# Allegro board PCIE_FIBER_BOARD-1116.brd (continued)
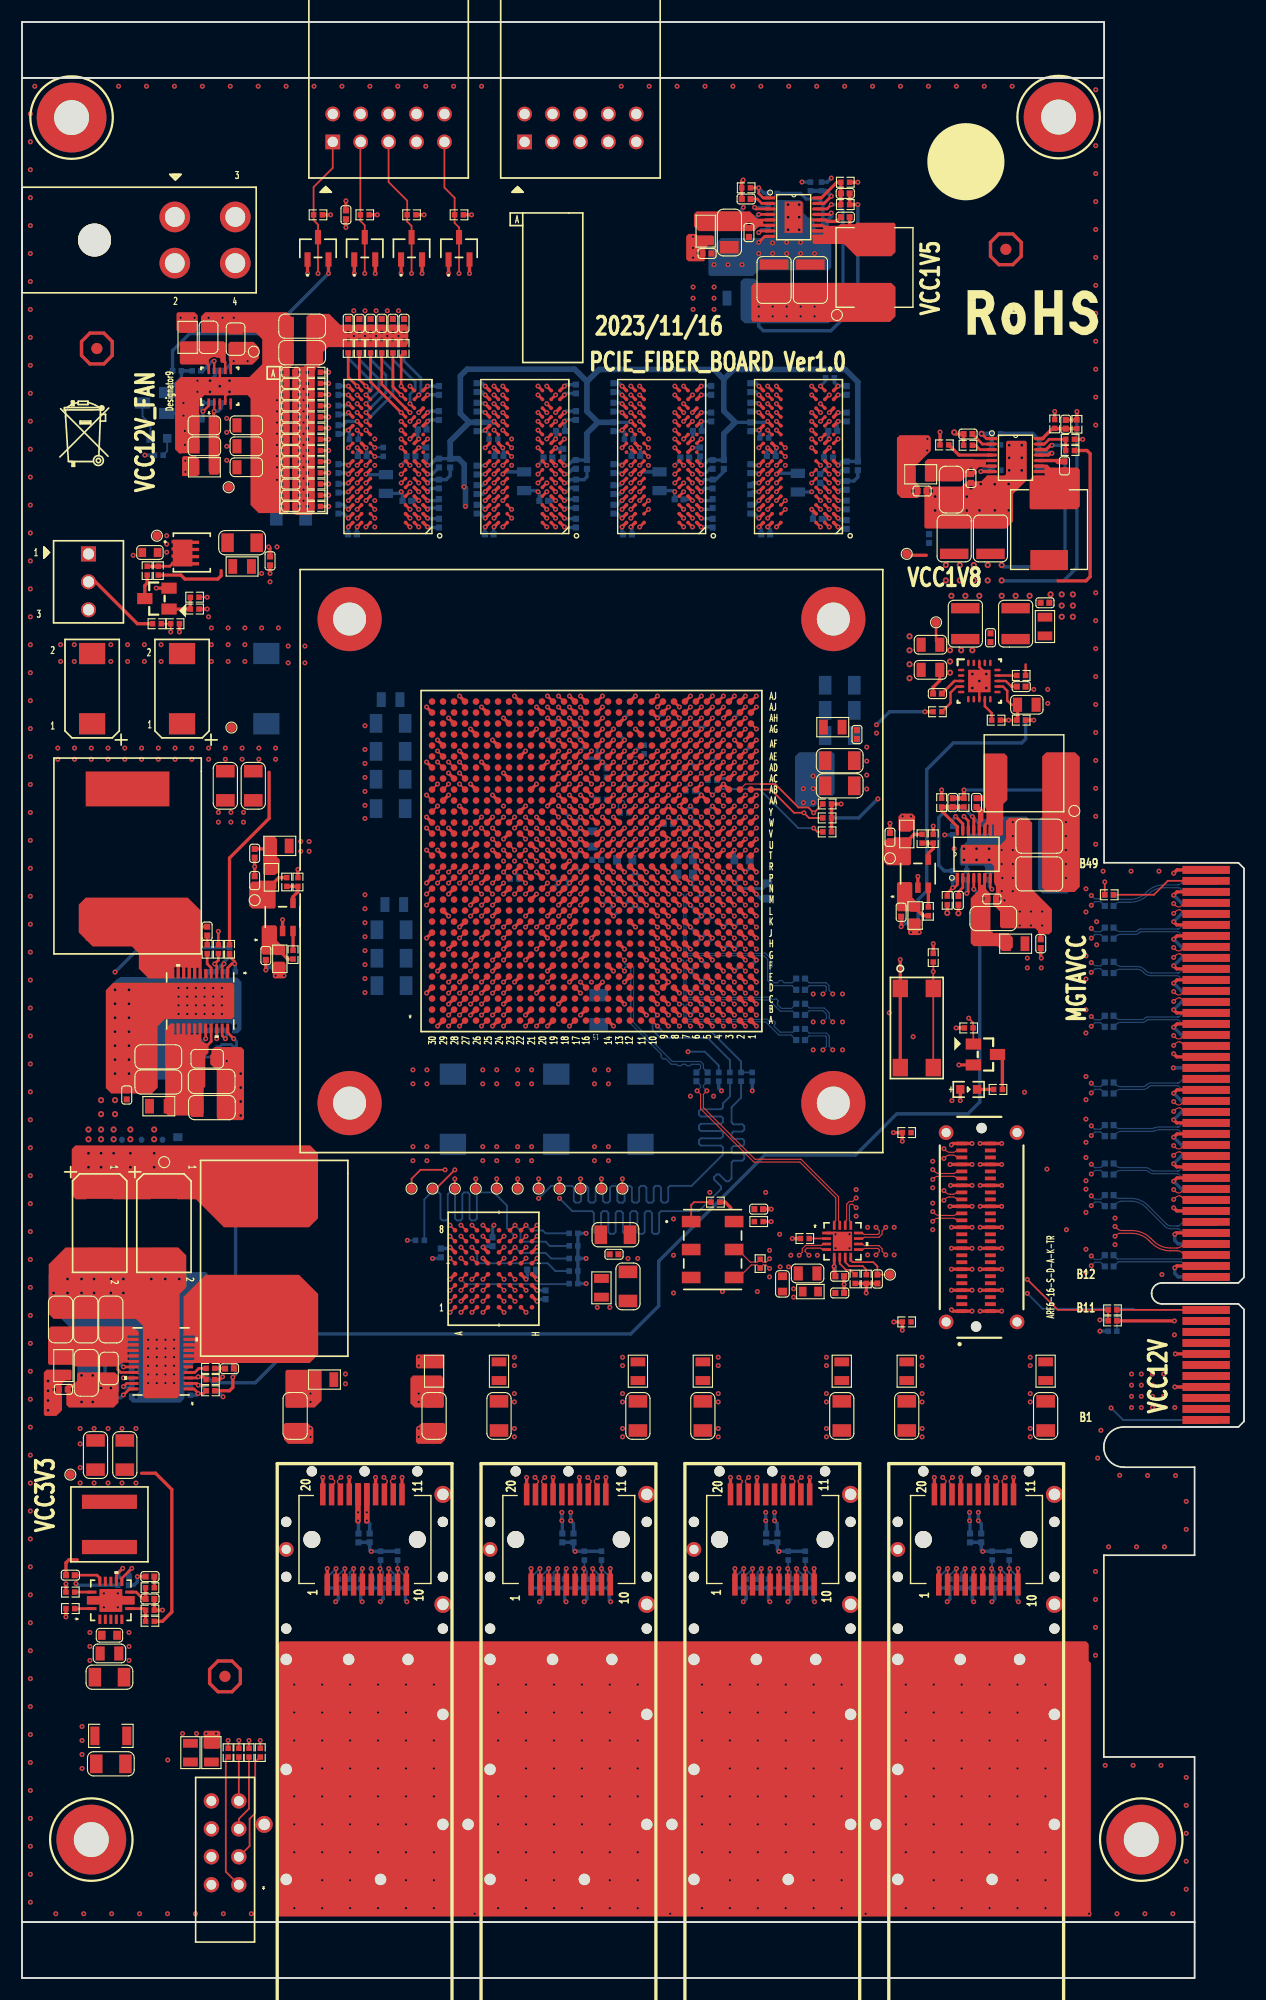
[diagram p0: board, top side]
## Nets (continued)
DDR3_A_D45: U77.A2(DQ13) U247.AG18(IO_L11N_T1_SRCC_32)
DDR3_A_D46: U77.B8(DQ14) U247.AE19(IO_L10N_T1_32)
DDR3_A_D47: U77.A3(DQ15) U247.AG19(IO_L8P_T1_32)
DDR3_A_D48: U78.E3(DQ0) U247.AB17(IO_L18P_T2_32)
DDR3_A_D49: U78.F7(DQ1) U247.AC17(IO_L18N_T2_32)
DDR3_A_D50: U78.F2(DQ2) U247.AB18(IO_L16N_T2_32)
DDR3_A_D51: U78.F8(DQ3) U247.AD17(IO_L14P_T2_SRCC_32)
DDR3_A_D52: U78.H3(DQ4) U247.AA18(IO_L16P_T2_32)
DDR3_A_D53: U78.H8(DQ5) U247.AD18(IO_L13P_T2_MRCC_32)
DDR3_A_D54: U78.G2(DQ6) U247.AB19(IO_L17P_T2_32)
DDR3_A_D55: U78.H7(DQ7) U247.AE18(IO_L13N_T2_MRCC_32)
DDR3_A_D56: U78.D7(DQ8) U247.AD14(IO_L22N_T3_32)
DDR3_A_D57: U78.C3(DQ9) U247.AC14(IO_L22P_T3_32)
DDR3_A_D58: U78.C8(DQ10) U247.AA16(IO_L23N_T3_32)
DDR3_A_D59: U78.C2(DQ11) U247.AA15(IO_L20P_T3_32)
DDR3_A_D60: U78.A7(DQ12) U247.AE15(IO_L19P_T3_32)
DDR3_A_D61: U78.A2(DQ13) U247.Y16(IO_L24P_T3_32)
DDR3_A_D62: U78.B8(DQ14) U247.AA17(IO_L23P_T3_32)
DDR3_A_D63: U78.A3(DQ15) U247.AB15(IO_L20N_T3_32)
DDR3_A_DM0: U75.E7(LDM) U247.AF7(IO_L20P_T3_34)
DDR3_A_DM1: U75.D3(UDM) U247.AK3(IO_L18N_T2_34)
DDR3_A_DM2: U76.E7(LDM) U247.AE1(IO_L8P_T1_34)
DDR3_A_DM3: U76.D3(UDM) U247.AC1(IO_L2N_T0_34)
DDR3_A_DM4: U77.E7(LDM) U247.AF15(IO_L4P_T0_32)
DDR3_A_DM5: U77.D3(UDM) U247.AF18(IO_L11P_T1_SRCC_32)
DDR3_A_DM6: U78.E7(LDM) U247.AC19(IO_L17N_T2_32)
DDR3_A_DM7: U78.D3(UDM) U247.Y15(IO_L24N_T3_32)
DDR3_A_DQS0_N: U75.G3(LDQS#) U247.AJ7(IO_L21N_T3_DQS_34)
DDR3_A_DQS0_P: U75.F3(LDQS) U247.AH7(IO_L21P_T3_DQS_34)
DDR3_A_DQS1_N: U75.B7(UDQS#) U247.AH1(IO_L15N_T2_DQS_34)
DDR3_A_DQS1_P: U75.C7(UDQS) U247.AG2(IO_L15P_T2_DQS_34)
DDR3_A_DQS2_N: U76.G3(LDQS#) U247.AG3(IO_L9N_T1_DQS_34)
DDR3_A_DQS2_P: U76.F3(LDQS) U247.AG4(IO_L9P_T1_DQS_34)
DDR3_A_DQS3_N: U76.B7(UDQS#) U247.AD1(IO_L3N_T0_DQS_34)
DDR3_A_DQS3_P: U76.C7(UDQS) U247.AD2(IO_L3P_T0_DQS_34)
DDR3_A_DQS4_N: U77.G3(LDQS#) U247.AJ16(IO_L3N_T0_DQS_32)
DDR3_A_DQS4_P: U77.F3(LDQS) U247.AH16(IO_L3P_T0_DQS_32)
DDR3_A_DQS5_N: U77.B7(UDQS#) U247.AK18(IO_L9N_T1_DQS_32)
DDR3_A_DQS5_P: U77.C7(UDQS) U247.AJ18(IO_L9P_T1_DQS_32)
DDR3_A_DQS6_N: U78.G3(LDQS#) U247.Y18(IO_L15N_T2_DQS_32)
DDR3_A_DQS6_P: U78.F3(LDQS) U247.Y19(IO_L15P_T2_DQS_32)
DDR3_A_DQS7_N: U78.B7(UDQS#) U247.AC15(IO_L21N_T3_DQS_32)
DDR3_A_DQS7_P: U78.C7(UDQS) U247.AC16(IO_L21P_T3_DQS_32)
DDR3_A_ODT: R484.2 U75.K1(ODT0) U76.K1(ODT0) U77.K1(ODT0) U78.K1(ODT0) U247.AK10(IO_L17N_T2_33)
DDR3_A_RAS_B: R482.2 U75.J3(RAS#) U76.J3(RAS#) U77.J3(RAS#) U78.J3(RAS#) U247.AK9(IO_L15N_T2_DQS_33)
DDR3_A_RESET_B: R8.1 U75.T2(RESET#) U76.T2(RESET#) U77.T2(RESET#) U78.T2(RESET#) U247.AE13(IO_L19P_T3_33)
DDR3_A_S0_B: R479.2 U75.L2(CS#) U76.L2(CS#) U77.L2(CS#) U78.L2(CS#) U247.AH9(IO_L16N_T2_33)
DDR3_A_WE_B: R480.2 U75.L3(WE#) U76.L3(WE#) U77.L3(WE#) U78.L3(WE#) U247.AJ9(IO_L15P_T2_DQS_33)
DDR_POWER_GOOD: Q10.1(GATE) R220.2 R459.2
FAN_FG: R1210.2 R1211.2 U247.D16(IO_L15P_T2_DQS_17)
FPGA_3V3_GPIO0: J2.1 U247.Y30(IO_L8P_T1_13)
FPGA_3V3_GPIO1: J2.3 U247.AA30(IO_L8N_T1_13)
FPGA_3V3_GPIO2: J2.5 U247.AD29(IO_L9P_T1_DQS_13)
FPGA_3V3_GPIO3: J2.7 U247.AE29(IO_L9N_T1_DQS_13)
FPGA_3V3_GPIO4: J2.9 U247.AB29(IO_L10P_T1_13)
FPGA_3V3_GPIO5: J2.10 U247.AB30(IO_L10N_T1_13)
FPGA_3V3_GPIO6: J2.8 U247.AD27(IO_L11P_T1_SRCC_13)
FPGA_3V3_GPIO7: J2.6 U247.AD28(IO_L11N_T1_SRCC_13)
FPGA_3V3_GPIO8: J2.4 U247.AB27(IO_L12P_T1_MRCC_13)
FPGA_3V3_GPIO9: J2.2 U247.AC27(IO_L12N_T1_MRCC_13)
FPGA_CCLK: R1150.1 U247.B10(CCLK_0)
FPGA_DONE_R: Q15.1(GATE) R395.2 U247.M10(DONE_0)
FPGA_INIT_B_R: R4.2 R1151.1 U247.A10(INIT_B_0)
FPGA_M0: R337.2 R342.1 U247.AB5(M0_0)
FPGA_M1: R338.2 R341.1 U247.AB2(M1_0)
FPGA_M2: R339.2 R340.1 U247.AB1(M2_0)
FPGA_PCIE_REFCLK_N: C991.2(CAP1) U247.N7(MGTREFCLK1N_116)
FPGA_PCIE_REFCLK_P: C992.2(CAP1) U247.N8(MGTREFCLK1P_116)
FPGA_PROG_B_R: R42.2 U247.K10(PROGRAM_B_0)
FPGA_REFCLK_100M_N: C2440.2(CAP1) U251.16(OUT3_N)
FPGA_REFCLK_100M_P: C2439.2(CAP1) U251.15(OUT3_P)
FPGA_RESET: R41.1 SW8.3(P3) SW8.4(P4) U247.J27(IO_L8P_T1_AD3P_15)
FPGA_SFP0_IIC_SCL: P1.5(SCL) R1159.2 U247.D26(IO_L11P_T1_SRCC_16)
FPGA_SFP0_IIC_SDA: P1.4(SDA) R1160.2 U247.C26(IO_L11N_T1_SRCC_16)
FPGA_SFP0_LOS: P1.8(LOS) R1166.2 U247.D23(IO_L2N_T0_16)
FPGA_SFP0_MOD_DETECT: P1.6(MOD_ABS) R1163.2 U247.E23(IO_L2P_T0_16)
FPGA_SFP0_TX_DISABLE: P1.3(TX_DISABLE) R1162.2 U247.A23(IO_L1N_T0_16)
FPGA_SFP0_TX_FAULT: P1.2(TX_FAULT) R1161.2 U247.B23(IO_L1P_T0_16)
FPGA_SFP1_IIC_SCL: P2.5(SCL) R1169.2 U247.C25(IO_L12P_T1_MRCC_16)
FPGA_SFP1_IIC_SDA: P2.4(SDA) R1170.2 U247.B25(IO_L12N_T1_MRCC_16)
FPGA_SFP1_LOS: P2.8(LOS) R1176.2 U247.F26(IO_L5P_T0_16)
FPGA_SFP1_MOD_DETECT: P2.6(MOD_ABS) R1173.2 U247.D24(IO_L4N_T0_16)
FPGA_SFP1_TX_DISABLE: P2.3(TX_DISABLE) R1172.2 U247.E24(IO_L4P_T0_16)
FPGA_SFP1_TX_FAULT: P2.2(TX_FAULT) R1171.2 U247.E25(IO_L3N_T0_DQS_16)
FPGA_SFP2_IIC_SCL: P3.5(SCL) R1180.2 U247.D27(IO_L13P_T2_MRCC_16)
FPGA_SFP2_IIC_SDA: P3.4(SDA) R1181.2 U247.C27(IO_L13N_T2_MRCC_16)
FPGA_SFP2_LOS: P3.8(LOS) R1186.2 U247.A27(IO_L7N_T1_16)
FPGA_SFP2_MOD_DETECT: P3.6(MOD_ABS) R1184.2 U247.B27(IO_L7P_T1_16)
FPGA_SFP2_TX_DISABLE: P3.3(TX_DISABLE) R1183.2 U247.G24(IO_L6N_T0_VREF_16)
FPGA_SFP2_TX_FAULT: P3.2(TX_FAULT) R1182.2 U247.G23(IO_L6P_T0_16)
FPGA_SFP3_IIC_SCL: P4.5(SCL) R1189.2 U247.E28(IO_L14P_T2_SRCC_16)
FPGA_SFP3_IIC_SDA: P4.4(SDA) R1190.2 U247.D28(IO_L14N_T2_SRCC_16)
FPGA_SFP3_LOS: P4.8(LOS) R1196.2 U247.A25(IO_L10P_T1_16)
FPGA_SFP3_MOD_DETECT: P4.6(MOD_ABS) R1193.2 U247.A28(IO_L9N_T1_DQS_16)
FPGA_SFP3_TX_DISABLE: P4.3(TX_DISABLE) R1192.2 U247.B28(IO_L9P_T1_DQS_16)
FPGA_SFP3_TX_FAULT: P4.2(TX_FAULT) R1191.2 U247.B24(IO_L8N_T1_16)
FPGA_SFP_REFCLK_N: C2435.2(CAP1) U247.C7(MGTREFCLK0N_118)
FPGA_SFP_REFCLK_P: C2436.2(CAP1) U247.C8(MGTREFCLK0P_118)
FPGA_SFP_RX_0_N: P1.12(RD_N) U247.E3(MGTXRXN0_118)
FPGA_SFP_RX_0_P: P1.13(RD_P) U247.E4(MGTXRXP0_118)
FPGA_SFP_RX_1_N: P2.12(RD_N) U247.D5(MGTXRXN1_118)
FPGA_SFP_RX_1_P: P2.13(RD_P) U247.D6(MGTXRXP1_118)
FPGA_SFP_RX_2_N: P3.12(RD_N) U247.A7(MGTXRXN3_118)
FPGA_SFP_RX_2_P: P3.13(RD_P) U247.A8(MGTXRXP3_118)
FPGA_SFP_RX_3_N: P4.12(RD_N) U247.B5(MGTXRXN2_118)
FPGA_SFP_RX_3_P: P4.13(RD_P) U247.B6(MGTXRXP2_118)
FPGA_SFP_TX_0_N: P1.19(TD_N) U247.D1(MGTXTXN0_118)
FPGA_SFP_TX_0_P: P1.18(TD_P) U247.D2(MGTXTXP0_118)
FPGA_SFP_TX_1_N: P2.19(TD_N) U247.C3(MGTXTXN1_118)
FPGA_SFP_TX_1_P: P2.18(TD_P) U247.C4(MGTXTXP1_118)
FPGA_SFP_TX_2_N: P3.19(TD_N) U247.A3(MGTXTXN3_118)
FPGA_SFP_TX_2_P: P3.18(TD_P) U247.A4(MGTXTXP3_118)
FPGA_SFP_TX_3_N: P4.19(TD_N) U247.B1(MGTXTXN2_118)
FPGA_SFP_TX_3_P: P4.18(TD_P) U247.B2(MGTXTXP2_118)
FPGA_TCK: D5.3 J1.1 R456.2 U247.E10(TCK_0)
FPGA_TDI: D2.3 J1.9 R1233.2 U247.H10(TDI_0)
FPGA_TDO: D4.3 J1.3 R455.2 U247.G10(TDO_0)
FPGA_TMS: D3.3 J1.5 R1234.2 U247.F10(TMS_0)
MGT_CLK_100M_N: C2437.1(CAP2) U251.12(OUT1_N)
MGT_CLK_100M_P: C2438.1(CAP2) U251.11(OUT1_P)
MGTAVCC: C144.1(CAP2) C145.1(CAP2) C2257.1(CAP2) C2258.1(CAP2) C2259.1(CAP2) C2260.1(CAP2) C2261.1(CAP2) C2262.1(CAP2) C2263.1(CAP2) C2264.1(CAP2) C2265.1(CAP2) C2266.1(CAP2) CC13.1 CC14.1 L99.1 R1100.2 TP47.1 U247.B7(MGTAVCC#B7) U247.D7(MGTAVCC#D7) U247.F7(MGTAVCC#F7) U247.H7(MGTAVCC#H7) U247.K7(MGTAVCC#K7) U247.M7(MGTAVCC#M7) U247.P7(MGTAVCC#P7)
MGTAVCC_PG: R1091.2 R1102.1 U118.3(PGOOD)
MGTAVTT: C146.1(CAP2) C147.1(CAP2) C1233.1(CAP2) C1234.1(CAP2) C1235.2(CAP1) C1237.1(CAP2) C2270.1(CAP2) C2271.1(CAP2) C2272.1(CAP2) C2273.1(CAP2) C2274.1(CAP2) C2275.1(CAP2) C2276.1(CAP2) C2277.1(CAP2) C2278.1(CAP2) C2279.1(CAP2) R165.1 TP52.1 U120.1(OUT) U120.2(SNS) U120.19(OUT_1) U120.20(OUT_2) U247.B3(MGTAVTT#B3) U247.C5(MGTAVTT#C5) U247.D3(MGTAVTT#D3) U247.E5(MGTAVTT#E5) U247.F3(MGTAVTT#F3) U247.G5(MGTAVTT#G5) U247.H3(MGTAVTT#H3) U247.J5(MGTAVTT#J5) U247.K3(MGTAVTT#K3) U247.L5(MGTAVTT#L5) U247.M3(MGTAVTT#M3) U247.N5(MGTAVTT#N5) U247.P3(MGTAVTT#P3) U247.R5(MGTAVTT#R5) U247.T3(MGTAVTT#T3) U247.U5(MGTAVTT#U5) U247.V3(MGTAVTT#V3) U247.W5(MGTAVTT#W5) U247.W7(MGTAVTTRCAL_115)
MGTVCCAUX: C148.1(CAP2) C2267.1(CAP2) C2268.1(CAP2) C2269.1(CAP2) L253.2 U247.T7(MGTVCCAUX#T7) U247.V7(MGTVCCAUX#V7)
PCIE_CLK_100M_N: C991.1(CAP2) U251.10(OUT0_N)
PCIE_CLK_100M_P: C992.1(CAP2) U251.9(OUT0_P)
PCIE_PRSNT_N: R1201.2 U249.A1(PRSNT#1)
PCIE_REFCLK_N: C2465.1(CAP2) U247.U7(MGTREFCLK1N_115)
PCIE_REFCLK_P: C2464.1(CAP2) U247.U8(MGTREFCLK1P_115)
PCIE_RST_N: R1215.2 R1236.2 R1237.1 U249.A11(PERST)
PCIE_RXD_0_N: U247.M5(MGTXRXN3_116) U249.B15(PETN0)
PCIE_RXD_0_P: U247.M6(MGTXRXP3_116) U249.B14(PETP0)
PCIE_RXD_1_N: U247.P5(MGTXRXN2_116) U249.B20(PETN1)
PCIE_RXD_1_P: U247.P6(MGTXRXP2_116) U249.B19(PETP1)
PCIE_RXD_2_N: U247.R3(MGTXRXN1_116) U249.B24(PETN2)
PCIE_RXD_2_P: U247.R4(MGTXRXP1_116) U249.B23(PETP2)
PCIE_RXD_3_N: U247.T5(MGTXRXN0_116) U249.B28(PETN3)
PCIE_RXD_3_P: U247.T6(MGTXRXP0_116) U249.B27(PETP3)
PCIE_RXD_4_N: U247.V5(MGTXRXN3_115) U249.B34(PETN4)
PCIE_RXD_4_P: U247.V6(MGTXRXP3_115) U249.B33(PETP4)
PCIE_RXD_5_N: U247.W3(MGTXRXN2_115) U249.B38(PETN5)
PCIE_RXD_5_P: U247.W4(MGTXRXP2_115) U249.B37(PETP5)
PCIE_RXD_6_N: U247.Y5(MGTXRXN1_115) U249.B42(PETN6)
PCIE_RXD_6_P: U247.Y6(MGTXRXP1_115) U249.B41(PETP6)
PCIE_RXD_7_N: U247.AA3(MGTXRXN0_115) U249.B46(PETN7)
PCIE_RXD_7_P: U247.AA4(MGTXRXP0_115) U249.B45(PETP7)
PCIE_TXD_0_N: C2467.1(CAP2) U247.L3(MGTXTXN3_116)
PCIE_TXD_0_P: C2466.1(CAP2) U247.L4(MGTXTXP3_116)
PCIE_TXD_1_N: C2469.1(CAP2) U247.M1(MGTXTXN2_116)
PCIE_TXD_1_P: C2468.1(CAP2) U247.M2(MGTXTXP2_116)
PCIE_TXD_2_N: C2471.1(CAP2) U247.N3(MGTXTXN1_116)
PCIE_TXD_2_P: C2470.1(CAP2) U247.N4(MGTXTXP1_116)
PCIE_TXD_3_N: C2473.1(CAP2) U247.P1(MGTXTXN0_116)
PCIE_TXD_3_P: C2472.1(CAP2) U247.P2(MGTXTXP0_116)
PCIE_TXD_4_N: C2475.1(CAP2) U247.T1(MGTXTXN3_115)
PCIE_TXD_4_P: C2474.1(CAP2) U247.T2(MGTXTXP3_115)
PCIE_TXD_5_N: C2477.1(CAP2) U247.U3(MGTXTXN2_115)
PCIE_TXD_5_P: C2476.1(CAP2) U247.U4(MGTXTXP2_115)
PCIE_TXD_6_N: C2479.1(CAP2) U247.V1(MGTXTXN1_115)
PCIE_TXD_6_P: C2478.1(CAP2) U247.V2(MGTXTXP1_115)
PCIE_TXD_7_N: C2481.1(CAP2) U247.Y1(MGTXTXN0_115)
PCIE_TXD_7_P: C2480.1(CAP2) U247.Y2(MGTXTXP0_115)
PCIE_VCC3V3: R1199.1 U249.A9(+3.3V_1) U249.A10(+3.3V_2) U249.B8(+3.3V_3)
PCIE_WAKE_N: R1199.2 R1200.1 U247.K18(IO_L1P_T0_17)
PCIE_WIDTH_X8: R1201.1 U249.B48(PRSNT#2_3)
SFP0_LED: R1219.2 U247.L17(IO_L5P_T0_17)
SFP1_LED: R1218.2 U247.L18(IO_L5N_T0_17)
SFP2_LED: R1217.2 U247.K19(IO_L6P_T0_17)
SFP3_LED: R1216.2 U247.K20(IO_L6N_T0_VREF_17)
SFP_CLK_100M_N: C2435.1(CAP2) U251.14(OUT2_N)
SFP_CLK_100M_P: C2436.1(CAP2) U251.13(OUT2_P)
TEST_REFCLK_N: C2437.2(CAP1) U247.G7(MGTREFCLK0N_117)
TEST_REFCLK_P: C2438.2(CAP1) U247.G8(MGTREFCLK0P_117)
TEST_TX_0_N: J3.29 U247.F1(MGTXTXN3_117)
TEST_TX_0_P: J3.27 U247.F2(MGTXTXP3_117)
TEST_TX_1_N: J3.35 U247.H1(MGTXTXN2_117)
TEST_TX_1_P: J3.33 U247.H2(MGTXTXP2_117)
TEST_TX_2_N: J3.41 U247.J3(MGTXTXN1_117)
TEST_TX_2_P: J3.39 U247.J4(MGTXTXP1_117)
TEST_TX_3_N: J3.47 U247.K1(MGTXTXN0_117)
TEST_TX_3_P: J3.45 U247.K2(MGTXTXP0_117)
VCXO_100M_N: R1205.1 U250.5(OUT-) U251.4(IN1_N)
VCXO_100M_P: R1205.2 U250.4(OUT+) U251.3(IN1_P)
VREG: C1158.1(CAP2) R1041.1 R1050.1 U113.18(VREG)
VRN_32: R160.2 U247.Y14(IO_0_VRN_32)
VRN_33: R162.2 U247.Y13(IO_0_VRN_33)
VRN_34: R163.2 U247.AC6(IO_0_VRN_34)
VRP_32: R159.1 U247.AB14(IO_25_VRP_32)
VRP_33: R161.1 U247.AD13(IO_25_VRP_33)
VRP_34: R164.1 U247.AB7(IO_25_VRP_34)
VTTDDR: C13.1(CAP2) C14.1(CAP2) C15.1(CAP2) C342.1(CAP2) C343.1(CAP2) C344.1(CAP2) C521.1(CAP2) C522.1(CAP2) C523.1(CAP2) C524.1(CAP2) C525.1(CAP2) C526.1(CAP2) C527.1(CAP2) C546.1(CAP2) C547.1(CAP2) C548.1(CAP2) C549.1(CAP2) C550.1(CAP2) C551.1(CAP2) C552.1(CAP2) C553.1(CAP2) C554.1(CAP2) C555.1(CAP2) C596.1(CAP2) C597.1(CAP2) C598.1(CAP2) C599.1(CAP2) C600.1(CAP2) C601.1(CAP2) C602.1(CAP2) C603.1(CAP2) C604.1(CAP2) C605.1(CAP2) C624.1(CAP2) C625.1(CAP2) C626.1(CAP2) C627.1(CAP2) C628.1(CAP2) C629.1(CAP2) C630.1(CAP2) C631.1(CAP2) C632.1(CAP2) C633.1(CAP2) R460.1 R461.1 R462.1 R463.1 R464.1 R465.1 R466.1 R467.1 R468.1 R469.1 R470.1 R471.1 R472.1 R473.1 R474.1 R475.1 R476.1 R477.1 R478.1 R479.1 R480.1 R481.1 R482.1 R483.1 R484.1 TP48.1 U23.3(VO) U23.5(VOSNS)
VTTVREF: C97.1(CAP2) C187.2(CAP1) C461.1(CAP2) C462.1(CAP2) C463.1(CAP2) C490.1(CAP2) C491.1(CAP2) C492.1(CAP2) C506.1(CAP2) C507.1(CAP2) C520.1(CAP2) C544.2(CAP1) C545.1(CAP2) C563.1(CAP2) C573.1(CAP2) C574.2(CAP1) C575.1(CAP2) C576.2(CAP1) C577.1(CAP2) C585.1(CAP2) C595.1(CAP2) C613.1(CAP2) C623.1(CAP2) C640.1(CAP2) TP49.1 U23.6(REFOUT) U75.H1(VREFDQ) U75.M8(VREFCA) U76.H1(VREFDQ) U76.M8(VREFCA) U77.H1(VREFDQ) U77.M8(VREFCA) U78.H1(VREFDQ) U78.M8(VREFCA) U247.AB13(IO_L6N_T0_VREF_33) U247.AD7(IO_L6N_T0_VREF_34) U247.AE14(IO_L19N_T3_VREF_32) U247.AF13(IO_L19N_T3_VREF_33) U247.AF16(IO_L6N_T0_VREF_32) U247.AG8(IO_L19N_T3_VREF_34)
XADC_AGND: C2.2(CAP1) L3.2 U247.P14(GNDADC_0) U247.R14(VREFN_0) U247.T15(VREFP_0)
XADC_VCC: C2.1(CAP2) L5.1 U247.P15(VCCADC_0)
$7N830: Q15.3(DRAIN) R396.1
$7N832: DS10.2 R396.2
$36N205: R165.2 U247.W8(MGTRREF_115)
$45N24: C271.1(CAP2) R219.1 R221.2 U23.1(REFIN)
$45N300: DS18.2 Q10.3(DRAIN)
$45N301: DS18.1 R87.2
N319534: R458.1 U75.L8(ZQ)
N335210: R490.1 U76.L8(ZQ)
N421789: R492.1 U77.L8(ZQ)
N421983: R494.1 U78.L8(ZQ)
N16671344: C1153.1(CAP2) C1154.1(CAP2) C1155.1(CAP2) C1156.1(CAP2) C1157.1(CAP2) L89.2 U113.12(VIN) U113.13(VIN_1) U113.14(VIN_2) U113.15(VIN_3) U113.16(VIN_4) U113.17(VIN_5) U113.19(VDD)
N16672317: R1044.2 U113.20(MODE)
N16672324: R1043.2 U113.21(TRIP)
N16672331: R1042.2 R1050.2 U113.22(RF)
N16672704: C1159.1(CAP2) L85.2 U113.6(LL) U113.7(LL_1) U113.8(LL_2) U113.9(LL_3) U113.10(LL_4) U113.11(LL_5)
N16673248: R1046.2 R1047.1 U113.1(VFB)
N16673267: R1049.1 U113.4(VBST)
N16673329: C1159.2(CAP1) R1049.2
N16673629: R1045.2 R1048.1 U113.2(EN)
N16716267: C1188.2(CAP1) C1197.1(CAP2) L93.2 U116.5(VIN1) U116.6(VIN2)
N16716359: R1067.2 U116.4(EN/UV)
N16716559: C1189.1(CAP2) R1071.2 U116.13(INTVCC)
N16716571: C1190.1(CAP2) U116.2(TR/SS)
N16716663: R1070.2 R1071.1 U116.1(SYNC)
N16716703: C1191.1(CAP2) L94.1 U116.9(SW1) U116.10(SW2) U116.11(SW3)
N16716707: C1191.2(CAP1) U116.12(BST)
N16716803: C1192.1(CAP2) R1072.1 R1073.1 U116.16(FB)
N16717075: R1068.1 U116.3(RT)
N16718397: R1074.2 R1075.2 U116.15(PG)
N16720636: C340.1(CAP2) C341.1(CAP2) L95.2 R221.1 U23.2(VLDOIN)
N16720676: C224.1(CAP2) L96.1 U23.7(EN) U23.10(VIN)
N16721374: R459.1 U23.9(PGOOD)
N16728285: C1212.1(CAP2) C1213.1(CAP2) C1214.1(CAP2) C1215.1(CAP2) C1216.1(CAP2) L100.2 U118.12(VIN) U118.13(VIN_1) U118.14(VIN_2) U118.15(VIN_3) U118.16(VIN_4) U118.17(VIN_5) U118.19(VDD)
N16728329: C1217.1(CAP2) R1091.1 R1099.1 U118.18(VREG)
N16728485: R1094.2 U118.20(MODE)
N16728493: R1092.2 R1099.2 U118.22(RF)
N16728501: R1093.2 U118.21(TRIP)
N16728563: C1208.1(CAP2) L99.2 U118.6(LL) U118.7(LL_1) U118.8(LL_2) U118.9(LL_3) U118.10(LL_4) U118.11(LL_5)
N16728607: R1095.2 R1100.1 U118.1(VFB)
N16728623: R1098.1 U118.4(VBST)
N16728663: C1208.2(CAP1) R1098.2
N16728745: R1101.1 U118.2(EN)
N16761893: R1155.2 U248.C6(WP_B)
N16761913: R1157.2 U248.F7(WAIT)
N16762295: C2441.1(CAP2) C2442.1(CAP2) C2443.1(CAP2) C2444.1(CAP2) C2445.1(CAP2) L234.1 U248.A4(VPP) U248.A6(VCC1) U248.D5(VCCQ1) U248.D6(VCCQ2) U248.G4(VCCQ3) U248.H3(VCC2)
N16769397: C1219.2(CAP1) C1228.1(CAP2) L101.2 U119.5(VIN1) U119.6(VIN2)
N16769403: P1.9(RS1) R1165.2 R1168.1
N16769415: P1.7(RS0) R1164.2 R1167.1
N16769443: C2450.1(CAP2) C2451.1(CAP2) L236.2 P1.16(VCCT)
N16769469: C2448.1(CAP2) C2449.1(CAP2) L235.2 P1.15(VCCR)
N16769691: C1220.1(CAP2) R1106.2 U119.13(INTVCC)
N16769695: C1221.1(CAP2) U119.2(TR/SS)
N16769791: R1105.2 R1106.1 U119.1(SYNC)
N16769823: C1222.1(CAP2) L102.1 U119.9(SW1) U119.10(SW2) U119.11(SW3)
N16769839: C1222.2(CAP1) U119.12(BST)
N16769935: C1223.1(CAP2) R1107.1 R1108.1 U119.16(FB)
N16769970: P2.9(RS1) R1175.2 R1178.1
N16769976: P2.7(RS0) R1174.2 R1177.1
N16769990: C2454.1(CAP2) C2455.1(CAP2) L238.2 P2.16(VCCT)
N16770002: C2452.1(CAP2) C2453.1(CAP2) L237.2 P2.15(VCCR)
N16770219: R1103.1 U119.3(RT)
N16770359: R1109.2 U119.15(PG)
N16771188: P4.9(RS1) R1195.2 R1198.1
N16771194: P4.7(RS0) R1194.2 R1197.1
N16771208: C2462.1(CAP2) C2463.1(CAP2) L242.2 P4.16(VCCT)
N16771220: C2460.1(CAP2) C2461.1(CAP2) L241.2 P4.15(VCCR)
N16771394: C1229.2(CAP1) U120.13(NR_SS)
N16771812: C1231.2(CAP1) C1232.1(CAP2) L103.2 R1114.2 U120.15(IN) U120.16(IN_1) U120.17(IN_2)
N16772406: P3.9(RS1) R1185.2 R1188.1
N16772412: P3.7(RS0) R1179.2 R1187.1
N16772426: C2458.1(CAP2) C2459.1(CAP2) L240.2 P3.16(VCCT)
N16772438: C2456.1(CAP2) C2457.1(CAP2) L239.2 P3.15(VCCR)
N16773503: R1111.2 U120.9(400 MV)
N16774020: C1235.1(CAP2) U120.3(FB)
N16774481: R1112.2 U120.4(PG)
N16776070: R1114.1 U120.14(EN)
N16776537: C1238.1(CAP2) R1115.2 U120.12(BIAS)
N16785044: C2466.2(CAP1) U249.A16(PERP0)
N16785066: C2467.2(CAP1) U249.A17(PERN0)
N16785114: C2468.2(CAP1) U249.A21(PERP1)
N16785116: C2469.2(CAP1) U249.A22(PERN1)
N16785180: C2470.2(CAP1) U249.A25(PERP2)
N16785182: C2471.2(CAP1) U249.A26(PERN2)
N16785246: C2472.2(CAP1) U249.A29(PERP3)
N16785248: C2473.2(CAP1) U249.A30(PERN3)
N16785312: C2474.2(CAP1) U249.A35(PERP4)
N16785314: C2475.2(CAP1) U249.A36(PERN4)
N16785378: C2476.2(CAP1) U249.A39(PERP5)
N16785380: C2477.2(CAP1) U249.A40(PERN5)
N16785510: C2478.2(CAP1) U249.A43(PERP6)
N16785512: C2479.2(CAP1) U249.A44(PERN6)
N16785576: C2480.2(CAP1) U249.A47(PERP7)
N16785578: C2481.2(CAP1) U249.A48(PERN7)
N16787009: C2464.2(CAP1) U249.A13(REFCLK+)
N16787011: C2465.2(CAP1) U249.A14(REFCLK-)
N16788876: J3.S1(SHIELD) J3.S3(SHIELD__2) R1202.2
N16788886: J3.S2(SHIELD__1) J3.S4(SHIELD__3) R1203.2
N16791944: C2488.2(CAP1) TP54.1 U251.8(VAC_REF0)
N16791990: C2482.2(CAP1) L243.1 R1204.2 U250.6(VDD)
N16792037: R1204.1 U250.1(VC/OE/S\T\)
N16792232: R1206.2 U251.2(IN_SEL)
N16792748: R1207.1 U251.6(IN0_P)
N16792755: R1208.1 U251.7(IN0_N)
N16797706: R1102.2 U119.4(EN/UV)
N16799597: Q17.1(GATE) R1212.1 R1213.1
N16799599: Q16.4(G) R1209.2 R1226.1
N16799687: C2490.1(CAP2) L245.2 Q16.5(S1) R1209.1
N16802634: R1200.2 U249.B11(WAKE#)
N16803090: R1215.1 U247.H20(IO_L2P_T0_17)
N16804893: D1.5 D1.6 D1.7 D1.8 L246.1 L247.1
N16820993: TP64.1 U247.A17(IO_L20N_T3_17)
N16820996: TP65.1 U247.A20(IO_L21P_T3_DQS_17)
N16820999: TP66.1 U247.A21(IO_L21N_T3_DQS_17)
N16821008: TP63.1 U247.E19(IO_L14P_T2_SRCC_17)
N16821066: TP62.1 U247.D17(IO_L13P_T2_MRCC_17)
N16821349: TP58.1 U247.K23(IO_L3P_T0_DQS_AD1P_15)
N16821352: TP56.1 U247.K24(IO_L3N_T0_DQS_AD1N_15)
N16821355: TP57.1 U247.L21(IO_L4P_T0_AD9P_15)
N16821358: TP59.1 U247.K21(IO_L4N_T0_AD9N_15)
N16821361: TP60.1 U247.L26(IO_L11P_T1_SRCC_AD12P_15)
N16821364: TP61.1 U247.L25(IO_L12P_T1_MRCC_AD5P_15)
N16821463: R1214.1 U247.R23(IO_L3P_T0_DQS_PUDC_B_14)
N16830782: Q17.3(DRAIN) R1226.2
N16831238: R1231.2 R1232.1 U254.4(ADJ)
N16831254: C2507.1(CAP2) L253.1 R1231.1 TP69.1 U254.5(VOUT)
N16831338: C2506.1(CAP2) L252.2 R1230.1 U254.1(VDD)
N16831858: R1230.2 U254.3(CE)
N16834590: J5.2(P2) R1211.1
N16835504: R1228.2 R1229.1 U253.4(ADJ)
N16835514: C2504.1(CAP2) L251.1 R1228.1 TP68.1 U253.5(VOUT)
N16835584: C2503.1(CAP2) L250.2 R1227.1 U253.1(VDD)
N16836033: R1227.2 U253.3(CE)
N16836574: D1.1 R1219.1
N16836583: D1.3 R1217.1
N16836592: D1.2 R1218.1
N16836621: D1.4 R1216.1
N16841265: R1221.2 R1223.1 U252.7(VSENSE)
N16841295: C2493.1(CAP2) U252.13(BOOT)
N16841309: C2493.2(CAP1) L249.1 U252.11(PH1) U252.12(PH2)
N16841343: R1220.2 U252.10(EN)
N16841418: C2499.1(CAP2) U252.9(SS_TR)
N16841448: R1224.1 U252.1(RTCLK)
N16841487: C2501.1(CAP2) R1225.2 U252.8(COMP)
N16841491: C2500.2(CAP1) R1225.1
N16841601: R1222.2 U252.14(PG)
N16881753: C2508.2 MH1.1 R1235.2
N16940256: C2439.1(CAP2) U247.G13(IO_L12P_T1_MRCC_18)
N16940258: C2440.1(CAP2) U247.F13(IO_L12N_T1_MRCC_18)
N17765267: R1069.2 U116.7(NC)
N17766516: R1104.2 U119.7(NC)
N22202204: C1177.2(CAP1) C1178.1(CAP2) L90.2 U115.5(VIN1) U115.6(VIN2)
N22202247: R1059.2 U115.4(EN/UV)
N22202333: C1175.1(CAP2) R1061.2 U115.13(INTVCC)
N22202347: C1176.1(CAP2) U115.2(TR/SS)
N22202393: R1061.1 R1064.2 U115.1(SYNC)
N22202413: C1179.1(CAP2) L86.1 U115.9(SW1) U115.10(SW2) U115.11(SW3)
N22202417: C1179.2(CAP1) U115.12(BST)
N22202453: R1066.2 U115.7(NC)
N22202455: C1180.1(CAP2) R1057.1 R1089.1 U115.16(FB)
N22202599: R1065.1 U115.3(RT)
N22202663: R1058.2 R1060.2 U115.15(PG)

Pads without a net: J1 6 7 8; J3 03 04 05 06 09 10 11 12 15 16 17 18 21 22 23 24 28 30 34 36 40 42 46 48; MH2 1; MH3 1; MH4 1; NOREF#4 1; NOREF#10 1; NOREF#12 1; NOREF#13 1; NOREF#14 1; NOREF#15 1; U75 J1 J9 L1 L9; U76 J1 J9 L1 L9; U77 J1 J9 L1 L9; U78 J1 J9 L1 L9; U113 5; U118 5; U120 5 6 7 10 11; U247 A11 A12 A13 A15 A16 A18 A22 A26 A30 AA20 AA21 AA22 AA23 AA25 AA26 AA27 AA28 AB20 AB22 AB23 AB24 AB25 AB28 AC20 AC21 AC22 AC24 AC25 AC26 AC29 AC30 AD16 AD21 AD22 AD23 AD24 AD26 AE11 AE20 AE21 AE23 AE24 AE25 AE26 AE28 AE30 AF3 AF10 AF11 AF12 AF20 AF21 AF22 AF23 AF25 AF26 AF27 AF28 AF30 AG10 AG12 AG13 AG17 AG20 AG22 AG23 AG24 AG25 AG27 AG28 AG29 AG30 AH4 AH10 AH11 AH12 AH14 AH20 AH21 AH22 AH24 AH25 AH26 AH27 AH29 AH30 AJ11 AJ12 AJ13 AJ14 AJ21 AJ22 AJ23 AJ24 AJ26 AJ27 AJ28 AJ29 AK11 AK13 AK14 AK20 AK21 AK23 AK24 AK25 AK26 AK28 AK29 AK30 B12 B13 B14 B15 B17 B18 B19 B20 B22 B29 B30 C11 C12 C14 C15 C16 C17 C19 C20 C21 C22 C24 C29 C30 D11 D12 D13 D14 D18 D19 D21 D22 D29 E7 E8 E11 E13 E14 E15 E16 E18 E20 E21 E26 E29 E30 F5 F6 F11 F12 F15 F16 F17 F18 F20 F21 F22 F23 F25 F27 F28 F30 G3 G4 G12 G14 G15 G17 G18 G19 G20 G22 G25 G27 G28 G29 G30 H5 H6 H11 H12 H14 H15 H16 H17 H19 H21 H22 H24 H25 H26 H27 H29 H30 J7 J8 J11 J12 J13 J14 J16 J17 J18 J19 J21 J22 J24 J26 J28 J29 K5 K6 K11 K13 K14 K15 K16 K25 K26 K28 K29 K30 L7 L8 L11 L12 L13 L15 L16 L20 L22 L23 L27 L28 L30 M19 M20 M22 M23 M27 M28 M29 N27 N29 P19 P23 R7 R8 R19 R24 R30 T25 T26 T27 T28 U22 U25 U27 U28 U29 U30 V26 W19 W27 W28 W29 Y20 Y21 Y23 Y24 Y25 Y26 Y28 Y29; U248 E8 F1 G2 H1; U249 A5 A6 A7 A8 A19 A32 A33 B5 B6 B9 B10 B12 B17 B30 B31; U250 2; U255 1 2 3 4

## Via types
v1: diameter 0.457, hole 0.203, TOP to BOTTOM, 2261 vias
v2: diameter 0.559, hole 0.254, TOP to BOTTOM, 140 vias

## Routing (per net, layer and track width the routed paths; a pad name or vN(x,y) marks a point on that pad's centre or on a via; arc(x,y) is an arc through that point)
GND: length 628.2
  TOP w0.229: U120.8 v2(87.08,117.89) ; v2(18.88,144.18) 18.49,143.79 U23.4 ; U23.8 v2(17.99,144.69) ; v2(87.71,118.53) 87.08,119.16 U120.18
  TOP w0.254: v1(67.01,157.77) 67.55,158.31 U116.8 ; v1(73.99,67.6) 73.88,67.72 U251.1
  TOP w0.305: v1(84.46,72.05) J3.37 v1(86.41,72.05) ; U247.U17 v1(49.8,103.53) ; U247.M8 v1(59.8,97.53) ; v1(89.11,62.52) J3.08 v1(87.15,62.52) ; U75.T9 v1(54.58,144.7) ; U247.M4 v1(63.8,97.53) ; C2485.1 v1(74.78,63.05) C2487.1 ; v1(34.57,45.5) 34.56,45.5 P2.11 ; v1(86.41,66.33) J3.19 v1(84.54,66.33) ; U249.B47 105.06,98.73 v1(104.75,98.42) ; U247.AK17 v1(49.8,116.53) ; U247.V18 v1(48.8,104.53) ; U247.AG16 v1(50.8,113.53) ; U247.W1 v1(66.8,105.53) ; U249.B36 105.03,87.73 v1(104.75,88.01) ; R1108.2 v1(83.65,107.99) ; U247.L24 v1(42.8,96.53) ; U77.B9 v1(29.69,132.7) ; U75.P9 v1(54.58,143.1) ; U75.B1 v1(61.78,132.7) ; U75.G8 v1(55.38,136.7) ; v1(104.75,80.42) 105.06,80.73 U249.B29 ; U249.B32 105.03,83.73 v1(104.75,84.01) ; v1(39.8,106.53) 39.8,106.53 U247.Y27 ; U78.J8 v1(42.94,139.1) ; U247.W6 v1(61.8,104.53) ; v1(74.5,106.72) R338.1 R339.1 R337.1 ; U75.A9 v1(54.58,131.9) ; U247.R13 v1(54.8,100.53) ; v1(65.59,163.44) 65.47,163.31 R1070.1 C1190.2 ; U247.AC28 v1(38.8,109.53) ; U247.A2 v1(65.8,86.53) ; C2507.2 v1(78.95,104.96) ; U247.AK7 v1(60.8,116.53) ; U247.Y8 v1(58.8,106.53) U247.Y9 ; U76.E2 v1(73.43,135.1) ; v1(84.54,62.52) J3.07 v1(86.41,62.52) ; U247.C1 v1(66.8,88.53) ; U247.W20 v1(46.8,105.53) ; U247.V8 v1(59.8,104.53) ; U247.AC8 v1(59.8,109.53) ; U249.B25 105.06,76.73 v1(104.75,76.42) ; U247.P16 v1(50.8,99.53) ; v1(82.98,45.5) 82.99,45.5 P1.20 ; U247.L10 v1(57.8,96.53) ; U249.B16 104.98,67.73 v1(104.86,67.6) ; U78.E2 v1(48.54,135.1) ; v1(89.11,64.43) J3.14 v1(87.15,64.43) ; U247.T16 v1(50.8,102.53) ; U77.M9 v1(29.69,140.7) ; U78.E1 v1(49.34,135.1) ; D5.1 v1(25.97,154.94) ; U247.L1 v1(66.8,96.53) ; U247.M9 v1(58.8,97.53) ; U247.R22 v1(44.8,100.53) ; U247.R11 v1(56.8,100.53) ; U78.D1 v1(49.34,134.3) ; U249.B40 105.03,91.73 v1(104.75,92.01) ; U247.H13 v1(54.8,93.53) ; U78.J2 v1(48.54,139.1) ; U247.AD15 v1(52.8,110.53) ; U75.D1 v1(61.78,134.3) ; U247.R2 v1(65.8,100.53) ; U77.A9 v1(29.69,131.9) ; v1(86.41,75.86) J3.49 84.66,75.86 v1(84.54,75.73) ; U76.E8 v1(67.83,135.1) ; U247.AA5 v1(61.8,107.53) U247.AA6 ; U247.C9 v1(58.8,88.53) ; U247.V10 v1(57.8,104.53) U247.W9 ; U247.V14 v1(53.8,104.53) ; v1(104.75,90.42) 105.06,90.73 U249.B39 ; U78.P1 v1(48.54,142.3) ; U247.P18 v1(48.8,99.53) ; v1(86.41,60.62) J3.01 84.66,60.62 v1(84.54,60.74) ; U247.R6 v1(61.8,100.53) ; Q15.2 v1(85.22,83) ; U76.A9 v1(67.03,131.9) ; v1(87.15,73.95) J3.44 v1(89.11,73.95) ; U247.D25 v1(41.8,89.53) ; U247.Y7 v1(59.8,106.53) U247.AA7 ; U247.V4 v1(63.8,104.53) ; U76.G1 v1(74.23,136.7) ; U78.B1 v1(49.34,132.7) ; U77.P9 v1(29.69,143.1) ; v1(48.31,45.5) 48.3,45.5 P3.17 ; D3.1 v1(34.48,154.94) ; U77.E8 v1(30.49,135.1) ; U78.T9 v1(42.13,144.7) ; U247.AF19 v1(47.8,112.53) ; U247.K8 v1(59.8,95.53) ; U247.T4 v1(63.8,102.53) ; U247.T19 v1(47.8,102.53) ; U247.R15 v1(52.8,100.53) ; v1(29.77,45.5) 29.76,45.5 P2.17 ; v1(104.75,100.42) 105.06,100.73 U249.A49 ; U247.N6 v1(61.8,98.53) ; U249.A4 v1(104.86,53.73) ; v1(85.39,45.5) 85.39,45.5 P1.17 ; U247.E12 v1(54.8,90.53) ; v2(84.79,140.5) 84.95,140.34 C1176.2 R1065.2 ; v1(84.54,64.43) J3.13 v1(86.41,64.43) ; v1(104.75,94.42) 105.06,94.73 U249.B43 ; C2492.2 v1(21.16,101.02) C2504.2 ; U78.B9 v1(42.13,132.7) ; U247.D15 v1(52.8,90.53) ; U248.H6 v1(46.85,66.43) ; P1.14 87.79,45.5 v1(87.78,45.5) ; U77.B1 v1(36.89,132.7) ; U247.A14 v1(53.8,86.53) ; U75.E2 v1(60.98,135.1) ; U247.D8 v1(59.8,89.53) ; U247.U2 v1(65.8,103.53) ; P3.11 53.1,45.5 v1(53.11,45.5) ; U75.M1 v1(61.78,141.5) ; U247.Y4 v1(62.8,106.53) ; v1(86.41,68.24) J3.25 v1(84.54,68.24) ; U247.U14 v1(53.8,103.53) ; U247.R1 v1(66.8,100.53) ; U247.J10 v1(57.8,94.53) ; U247.AG6 v1(61.8,113.53) ; U247.F9 v1(58.8,91.53) ; R41.2 v1(82.88,94.02) ; R1207.2 R1208.2 ; R1208.2 C2488.1 ; R1208.2 v1(76.79,62.27) ; U77.E2 v1(36.09,135.1) ; v1(89.11,72.05) J3.38 v1(87.15,72.05) ; U249.B26 105.03,77.73 v1(104.75,78.01) ; v1(79.3,59.64) R1202.1 v1(80.07,58.89) ; U77.B3 v1(35.29,132.7) ; U77.G1 v1(36.89,136.7) ; U247.AB11 v1(56.8,108.53) ; U247.J2 v1(65.8,94.53) ; U247.V12 v1(55.8,104.53) ; U247.A6 v1(61.8,86.53) ; U247.B4 v1(63.8,87.53) ; U247.AA1 v1(66.8,107.53) ; U247.R9 v1(58.8,100.53) ; U247.U6 v1(61.8,102.53) ; U247.G6 v1(61.8,92.53) ; v1(104.75,96.01) 105.03,95.73 U249.B44 ; U247.Y3 v1(64.8,106.53) ; U75.G1 v1(61.78,136.7) ; P1.11 90.19,45.5 v1(90.19,45.5) ; v1(87.15,68.24) J3.26 v1(89.11,68.24) ; U247.M14 v1(53.8,97.53) ; U249.B7 v1(104.9,56.73) ; v1(86.41,73.95) J3.43 v1(84.41,73.95) ; U76.P9 v1(67.03,143.1) ; U247.G16 v1(50.8,92.53) ; U247.N13 v1(54.8,98.53) ; v1(89.11,60.62) J3.02 v1(87.15,60.62) ; U247.T18 v1(48.8,102.53) ; U247.J30 v1(36.8,94.53) ; U77.T9 v1(29.69,144.7) ; U247.L2 v1(65.8,96.53) ; U247.AD25 v1(41.8,110.53) ; v1(45.9,45.5) 45.9,45.5 P3.20 ; U247.M16 v1(50.8,97.53) ; U247.U13 v1(54.8,103.53) ; v1(22.43,130.09) 22.56,129.96 C2489.1 ; U247.AB3 v1(63.8,108.53) U247.AB4 ; U76.J2 v1(73.43,139.1) ; U76.P1 v1(73.43,142.3) ; U247.B9 v1(58.8,87.53) ; U247.K27 v1(39.8,95.53) ; U247.T8 v1(59.8,102.53) ; U247.N17 v1(49.8,98.53) ; C505.2 v1(29.46,159.13) ; U247.J20 v1(47.8,94.53) ; U76.B1 v1(74.23,132.7) ; U77.J8 v1(30.49,139.1) ; U247.N11 v1(56.8,98.53) ; U78.T1 v1(49.34,144.7) ; P4.14 69.25,45.5 v1(69.24,45.5) ; U247.A9 v1(58.8,86.53) ; U77.J2 v1(36.09,139.1) ; U75.B3 v1(60.18,132.7) ; C2501.2 R1223.2 v1(12.78,33.44) ; R1213.2 v1(16.84,124.44) ; v1(50.7,45.5) 50.71,45.5 P3.14 ; U247.Y17 v1(49.8,106.53) ; U247.K4 v1(63.8,95.53) ; v1(79.26,76.85) R1203.1 v1(80.07,76.07) ; U247.E2 v1(65.8,90.53) ; U77.F9 v1(29.69,135.9) ; U247.AE22 v1(45.8,111.53) ; U78.D8 v1(42.93,134.3) ; U247.N15 v1(52.8,98.53) ; U247.E6 v1(61.8,90.53) ; U247.E1 v1(66.8,90.53) ; U247.L6 v1(61.8,96.53) ; C2482.1 v1(68.15,69.89) ; P2.10 v1(34.96,37.21) ; D4.1 v1(30.22,154.94) ; Q17.2 v1(12.21,126.34) ; v1(87.15,66.33) J3.20 v1(89.11,66.33) ; U247.AH13 v1(54.8,114.53) ; U75.J8 v1(55.38,139.1) ; v1(66.85,45.5) 66.85,45.5 P4.17 ; R1089.2 v1(93.93,142.41) ; U77.G9 v1(29.69,136.7) ; v1(84.41,70.14) J3.31 v1(86.41,70.14) ; P3.10 v1(53.51,37.21) ; U78.F9 v1(42.13,135.9) ; U247.AA2 v1(65.8,107.53) ; U247.AH23 v1(43.8,114.53) ; U247.B21 v1(45.8,87.53) ; U76.D8 v1(67.83,134.3) ; P1.1 v1(83.39,37.21) ; U76.F9 v1(67.03,135.9) ; U247.W11 v1(56.8,105.53) ; P1.10 v1(90.59,37.21) ; R1073.2 v1(76.03,163.23) ; P3.1 v1(46.31,37.21) ; P2.1 v1(27.76,37.21) ; U76.M1 v1(74.23,141.5) ; U247.E22 v1(44.8,90.53) ; U248.B2 v1(39.93,61.51) ; U247.F8 v1(59.8,91.53) ; U76.T1 v1(74.23,144.7) ; U247.N1 v1(66.8,98.53) ; R1111.1 v1(89.74,114.34) ; U247.AH3 v1(64.8,114.53) ; U247.AD5 v1(62.8,110.53) ; U247.J9 v1(58.8,94.53) ; U249.B21 105.06,72.73 v1(104.75,72.42) ; C1221.2 v2(85.17,96.78) ; U249.B13 105.03,64.73 v1(104.86,64.55) ; U247.W13 v1(53.8,105.53) ; U247.C28 v1(38.8,88.53) ; U247.U9 v1(58.8,103.53) U247.V9 ; C2506.2 v1(79.96,95.56) ; U78.G9 v1(42.13,136.7) ; U76.M9 v1(67.03,140.7) ; U75.J2 v1(60.98,139.1) ; v1(64.44,45.5) 64.45,45.5 P4.20 ; U75.P1 v1(60.98,142.3) ; U247.U15 v1(52.8,103.53) ; U247.C6 v1(61.8,88.53) ; U253.2 v1(23.7,96.2) ; R1224.2 v1(4,32.82) ; U76.G9 v1(67.03,136.7) ; U75.T1 v1(61.78,144.7) ; U77.T1 v1(36.89,144.7) ; U247.N9 v1(58.8,98.53) ; U247.AF29 v1(37.8,112.53) ; R1229.2 v1(25.1,100.77) ; U247.AF9 v1(58.8,112.53) ; P2.20 27.36,45.5 v1(27.36,45.5) ; P2.14 32.16,45.5 v1(32.16,45.5) ; U75.G9 v1(54.58,136.7) ; U78.E8 v1(42.93,135.1) ; U76.G8 v1(67.83,136.7) ; v1(87.15,75.86) J3.50 v1(89.11,75.86) ; U247.U1 v1(66.8,103.53) ; R1232.2 v1(82.88,104.71) ; U247.D9 v1(58.8,90.53) U247.E9 ; U249.B22 105.03,73.73 v1(104.75,74.01) ; U76.T9 v1(67.03,144.7) ; U247.M21 v1(46.8,98.53) ; U247.P4 v1(63.8,99.53) ; U76.D1 v1(74.23,134.3) ; v1(71.65,45.5) 71.65,45.5 P4.11 ; U247.J6 v1(61.8,94.53) ; U77.D8 v1(30.49,134.3) ; U247.AC18 v1(49.8,109.53) ; U76.B9 v1(67.03,132.7) ; U77.D1 v1(36.89,134.3) ; U247.F29 v1(37.8,91.53) ; U247.W15 v1(51.8,105.53) ; U247.G26 v1(40.8,92.53) ; D2.1 v1(38.8,154.94) ; U247.G1 v1(66.8,92.53) ; U247.F4 v1(63.8,91.53) ; U247.T10 v1(57.8,102.53) ; U247.AG26 v1(40.8,113.53) ; U247.H4 v1(63.8,93.53) ; U247.T14 v1(53.8,102.53) ; P4.10 v1(72.05,37.21) ; U247.L9 v1(58.8,96.53) ; U247.P8 v1(59.8,99.53) ; U77.G8 v1(30.49,136.7) ; U247.V23 v1(43.8,103.53) ; U248.H2 v1(46.85,61.51) ; U247.W2 v1(65.8,105.53) ; U247.C18 v1(48.8,88.53) ; U247.A24 v1(42.8,86.53) ; v1(40.8,102.53) 40.8,102.53 U247.U26 ; U77.P1 v1(36.09,142.3) ; U78.M1 v1(49.34,141.5) ; U247.H9 v1(58.8,93.53) ; U247.AK27 v1(39.8,116.53) ; U75.B9 v1(54.58,132.7) ; U247.A5 v1(62.8,86.53) ; U247.H23 v1(43.8,93.53) ; U247.G9 v1(58.8,92.53) ; U247.AJ10 v1(57.8,114.53) ; U247.B8 v1(59.8,87.53) ; U77.E1 v1(36.89,135.1) ; U247.N2 v1(65.8,98.53) ; U247.P10 v1(57.8,99.53) ; U78.G8 v1(42.93,136.7) ; U247.P12 v1(55.8,99.53) ; U247.V16 v1(50.8,104.53) ; U247.A1 v1(66.8,86.53) ; U247.G2 v1(65.8,92.53) ; U247.U11 v1(56.8,103.53) ; U247.D4 v1(63.8,89.53) ; U247.P9 v1(58.8,99.53) ; U248.H4 v1(46.85,63.51) ; v1(104.75,86.42) 105.06,86.73 U249.B35 ; U247.AE12 v1(55.8,111.53) ; U247.K9 v1(58.8,95.53) ; U247.T12 v1(55.8,102.53) ; U247.AJ30 v1(36.8,115.53) ; v1(89.11,70.14) J3.32 v1(87.15,70.14) ; U249.A18 105.03,69.73 v1(104.75,70.01) ; U254.2 v1(81.49,100.13) ; P4.1 v1(64.85,37.21) ; U76.J8 v1(67.83,139.1) ; U247.H8 v1(59.8,93.53) ; U247.C2 v1(65.8,88.53) ; U78.M9 v1(42.13,140.7) ; U247.R17 v1(49.8,100.53) ; U247.N28 v1(38.8,98.53) ; U77.M1 v1(36.89,141.5) ; U247.M12 v1(55.8,97.53) ; U78.A9 v1(42.13,131.9) ; U78.G1 v1(49.34,136.7) ; C2503.2 v1(22.18,91.62) ; C2500.1 v1(10.49,36.49) ; U247.K17 v1(49.8,95.53) ; U76.B3 v1(71.83,133.5) ; U247.AA14 v1(53.8,107.53) ; U247.T29 v1(37.8,102.53) ; U247.P25 v1(41.8,99.53) ; U78.B3 v1(47.73,132.7) ; R1105.1 v2(84.15,96.81) ; C1218.1 92.66,95.04 ; U247.AE2 v1(65.8,111.53) ; U247.W17 v1(49.8,105.53) ; U247.M18 v1(48.8,97.53) ; U247.J1 v1(66.8,94.53) ; U78.P9 v1(42.13,143.1) ; U247.L14 v1(53.8,96.53) ; U247.W30 v1(36.8,105.53) ; U75.D8 v1(55.38,134.3) ; U76.E1 v1(74.23,135.1) ; U247.F19 v1(47.8,91.53) ; U75.M9 v1(54.58,140.7) ; U247.AJ20 v1(46.8,115.53) ; U247.AA24 v1(42.8,107.53) ; U75.F9 v1(54.58,135.9) ; U75.E8 v1(55.38,135.1) ; U247.B11 v1(56.8,87.53) ; U247.AB21 v1(46.8,108.53) ; U75.E1 v1(61.78,135.1)